# Altium PCB Freezer_Controller.PcbDoc (part 1 of 3) (continued)
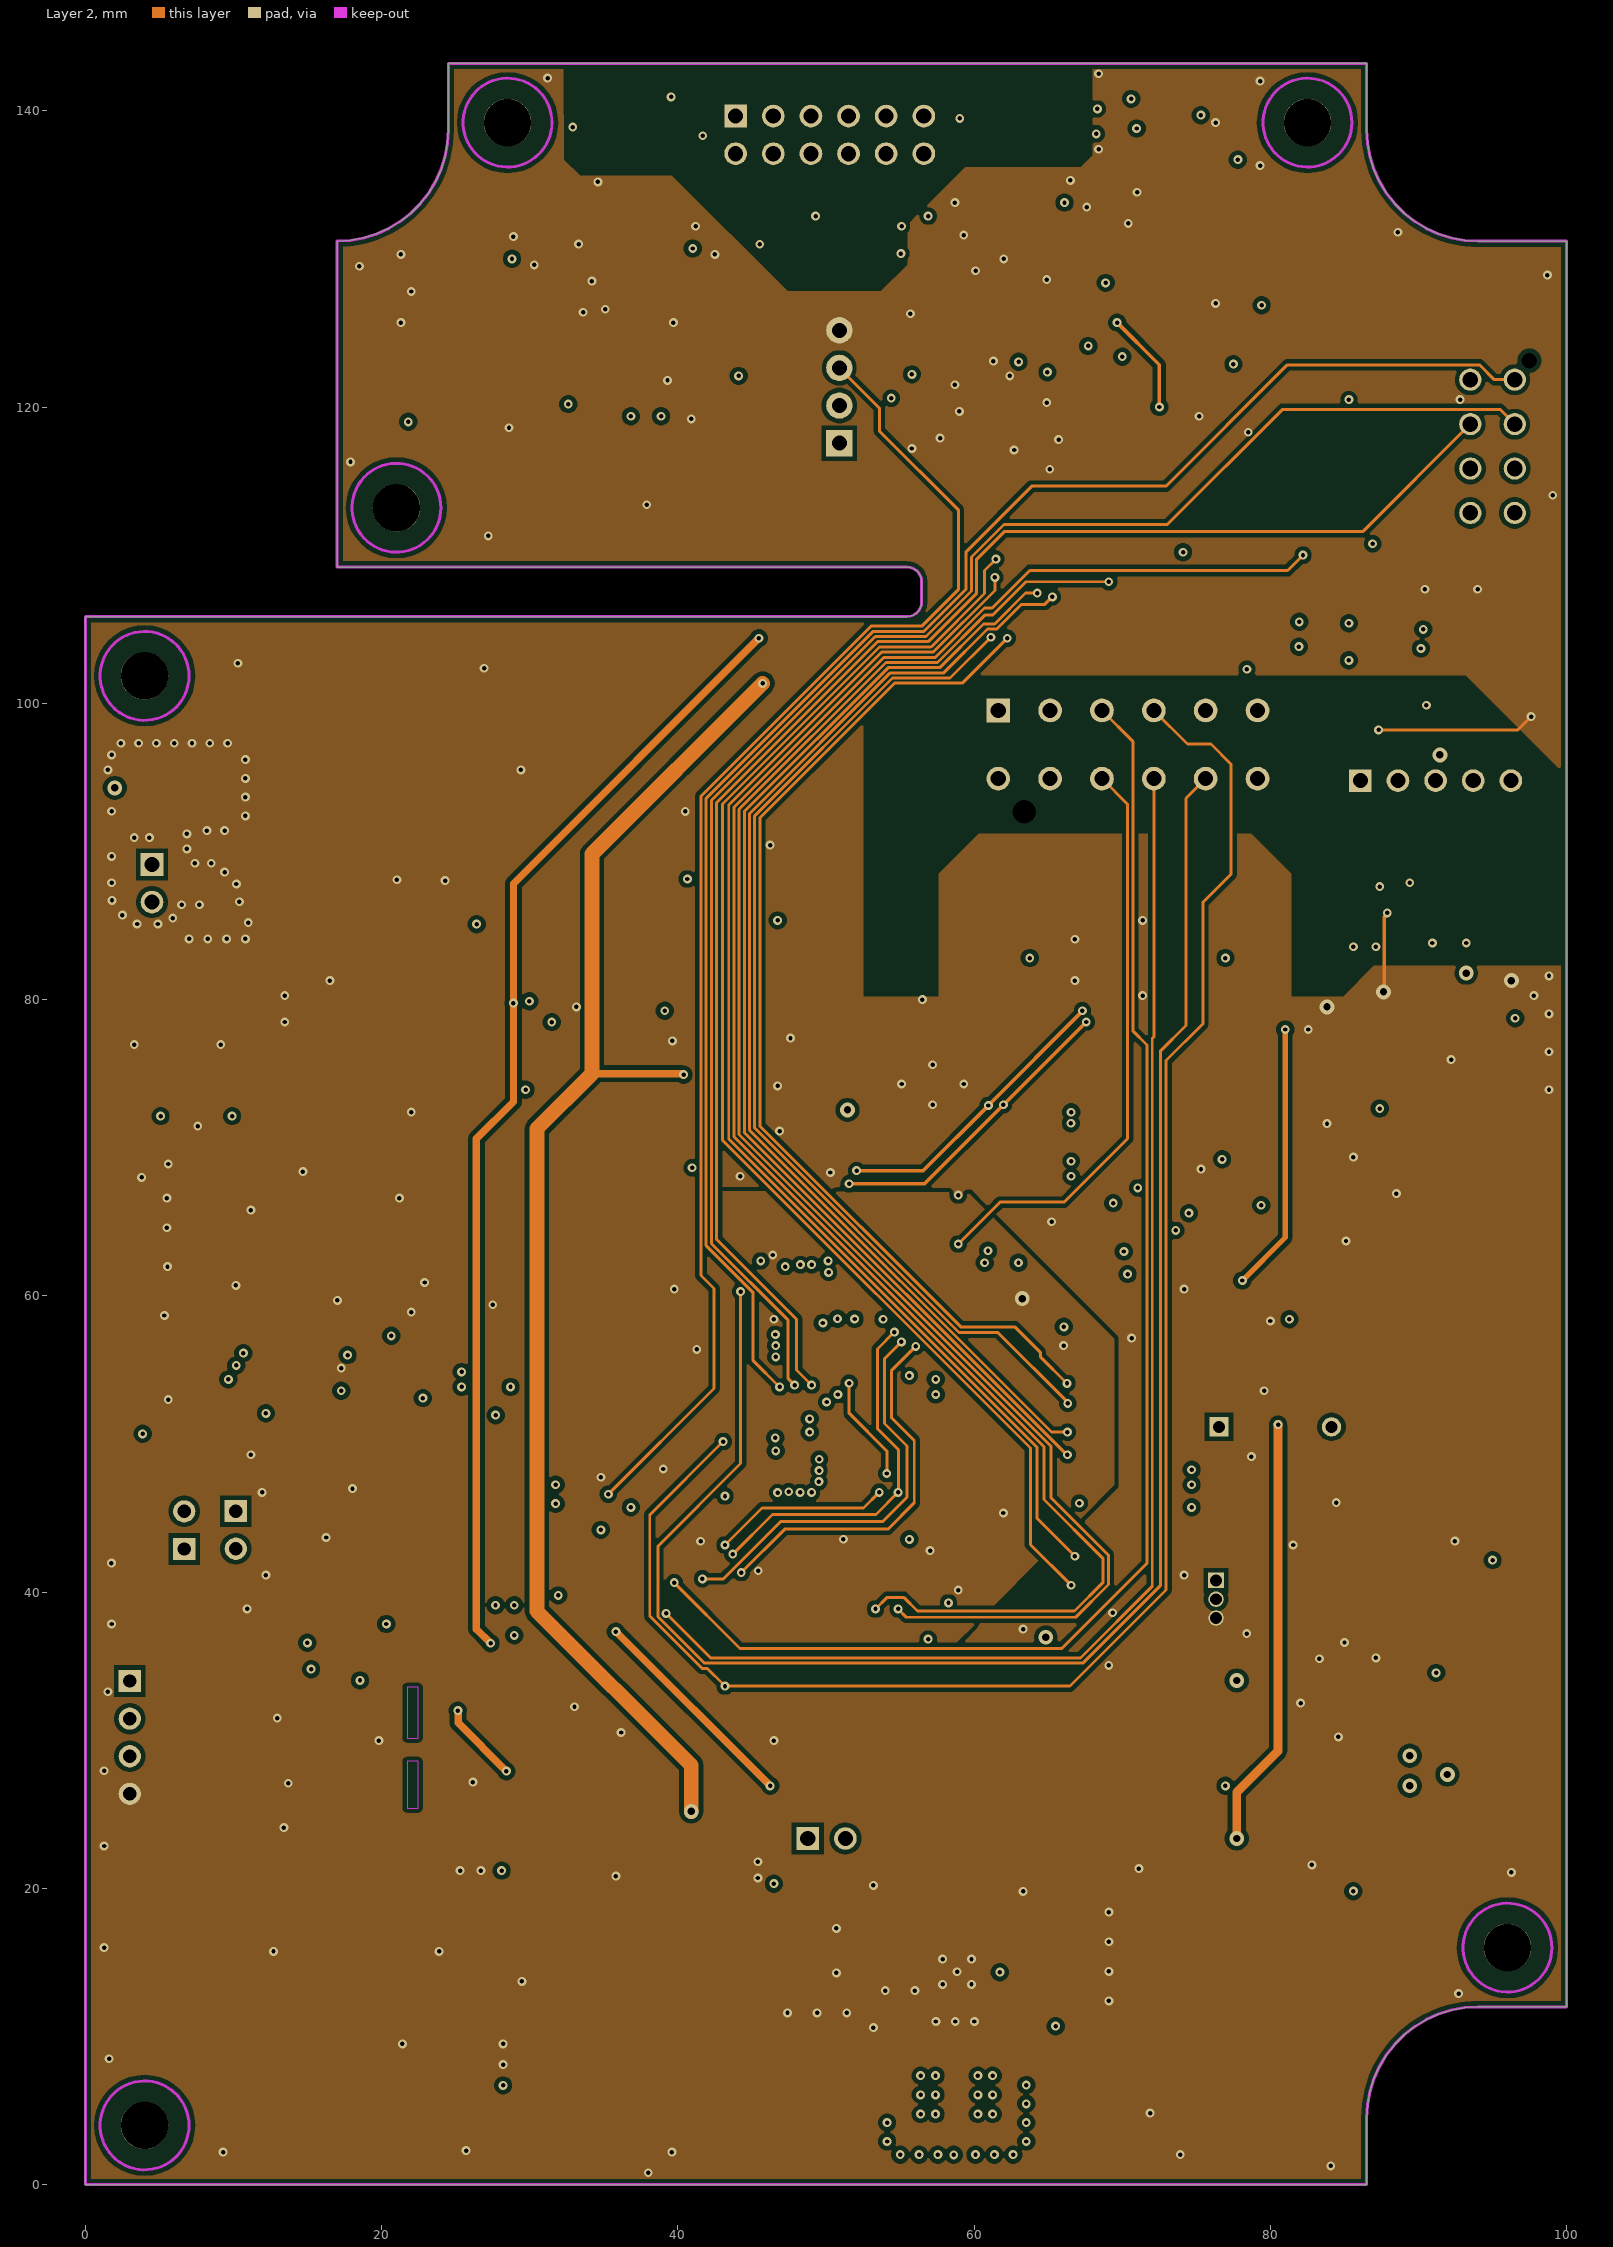
[diagram p3: Layer 2]

## Layer stack, top to bottom
Top Solder: solder mask 0.0102, Solder Resist, Dk 3.5
Top Layer: signal copper 0.035
Dielectric 1: prepreg 0.21, FR-4, Dk 4.2
Layer 1: signal copper 0.035
Dielectric 3: core 1, Dk 4.2
Layer 2: signal copper 0.035
Dielectric 2: prepreg 0.21, Dk 4.2
Bottom Layer: signal copper 0.035
Bottom Solder: solder mask 0.0102, Solder Resist, Dk 3.5

## Board outline
55.46,105.85 0,105.85 0,0 86.5,0 86.5,4.5 86.555,5.404 86.718,6.295 86.988,7.159 87.359,7.985 87.828,8.76 88.386,9.473 89.027,10.114 89.74,10.672 90.515,11.141 91.341,11.512 92.205,11.782 93.096,11.945 94,12 100,12 100,131.2 94,131.2 93.096,131.255 92.205,131.418 91.341,131.688 90.515,132.059 89.74,132.528 89.027,133.086 88.386,133.727 87.828,134.44 87.359,135.215 86.988,136.041 86.718,136.905 86.555,137.796 86.5,138.7 86.5,143.2 24.5,143.2 24.5,138.7 24.445,137.796 24.282,136.905 24.012,136.041 23.641,135.215 23.172,134.44 22.614,133.727 21.973,133.086 21.26,132.528 20.485,132.059 19.659,131.688 18.795,131.418 17.904,131.255 17,131.2 17,109.2 55.46,109.2 55.682,109.175 55.894,109.101 56.083,108.982 56.242,108.823 56.361,108.634 56.435,108.422 56.46,108.2 56.46,106.85 56.435,106.627 56.361,106.416 56.242,106.227 56.083,106.068 55.894,105.949 55.682,105.875

## Design rules (kind name [scope] priority, off if disabled: settings)
Clearance Clearance_polygon [All vs InPolygon] p1: gap=0.3 ignorepadtopadclearanceinfootprint=TRUE
Clearance Clearance_USB [All vs InDifferentialPair('USB_D')or InDifferentialPair('DOUT')] p2: gap=0.127 ignorepadtopadclearanceinfootprint=TRUE
Clearance CLR_BR [InComponent('BR*')] p3: gap=0 ignorepadtopadclearanceinfootprint=TRUE
Clearance [All] p4: gap=0.15 ignorepadtopadclearanceinfootprint=TRUE
ComponentClearance [All] p1: gap=0 collisioncheckmode=3 verticalgap=0 showdistances=FALSE
DiffPairsRouting DIFF_USB [InDifferentialPair('USB')or InDifferentialPair('USB_D')] p1: maxlimit=0.127 minlimit=0.127 mostfreqgap=0.127 toplayer_minwidth=0.255 toplayer_maxwidth=0.255 toplayer_prefwidth=0.255 midlayer1_minwidth=0.121 midlayer1_maxwidth=0.121 midlayer1_prefwidth=0.121 midlayer3_minwidth=0.121 midlayer3_maxwidth=0.121 midlayer3_prefwidth=0.121 bottomlayer_minwidth=0.255 bottomlayer_maxwidth=0.255 bottomlayer_prefwidth=0.255 impedanceprofiledriven=TRUE impedanceprofileid={CBB141E9-F32D-4513-8179-8D51B2AE33E7} impedanceprofilevalue=90.000000 maxuncoupledlength=12.7
DiffPairsRouting [All] p2: maxlimit=0.22 minlimit=0.127 mostfreqgap=0.127 toplayer_mingap=0.18 toplayer_prefgap=0.2 toplayer_minwidth=0.255 toplayer_maxwidth=0.255 toplayer_prefwidth=0.255 midlayer1_maxgap=0.127 midlayer1_minwidth=0.121 midlayer1_maxwidth=0.121 midlayer1_prefwidth=0.121 midlayer3_maxgap=0.127 midlayer3_minwidth=0.121 midlayer3_maxwidth=0.121 midlayer3_prefwidth=0.121 bottomlayer_maxgap=0.127 bottomlayer_minwidth=0.255 bottomlayer_maxwidth=0.255 bottomlayer_prefwidth=0.255 maxuncoupledlength=12.7
Height [All] p1: minheight=0 maxheight=100 prefheight=12.7
HoleSize [All] p1: absolutevalues=TRUE maxlimit=5 minlimit=0.025 maxpercent=80.000 minpercent=20.000
HoleToHoleClearance [All] p1: gap=0 allowstackedmicrovias=TRUE
MinimumSolderMaskSliver [All] p1: minsoldermaskwidth=0
PolygonConnect [All] p1: connectstyle=Direct reliefconductorwidth=0.254 reliefentries=4 polygonreliefangle="90 Angle" airgapwidth=0.254
RoomDefinition U_DisplayIface [InComponentClass('U_DisplayIface')] p1: confinementstyle=ConfineIn formatcopy=TRUE lockcomponents=FALSE outline 50.292,96.52 11.1,96.52 11.1,73.914 50.292,73.914
RoomDefinition U_Audio [InComponentClass('U_Audio')] p2: confinementstyle=ConfineIn formatcopy=TRUE lockcomponents=FALSE outline 0,88.911 0,48.768 14.6,48.768 14.6,88.911
RoomDefinition U_RTDIface6 [InComponentClass('U_RTDIface6')] p3: confinementstyle=ConfineIn formatcopy=TRUE lockcomponents=FALSE outline 63.8,123.4 63.8,108.1 75.9,108.1 75.9,123.4
RoomDefinition U_RTDIface3 [InComponentClass('U_RTDIface3')] p4: confinementstyle=ConfineIn formatcopy=TRUE lockcomponents=FALSE outline 57.4,137.2 57.4,121.9 69.5,121.9 69.5,137.2
RoomDefinition U_RTDIface2 [InComponentClass('U_RTDIface2')] p5: confinementstyle=ConfineIn formatcopy=TRUE lockcomponents=FALSE outline 20.1,133.4 20.1,118.1 32.2,118.1 32.2,133.4
RoomDefinition RoomDefinition_11 [OnTop and InAnyComponent] p6: confinementstyle=ConfineOut formatcopy=TRUE lockcomponents=FALSE outline 4,1 cw(c4,4) 1,4 cw(c4,4) 4,7 cw(c4,4) 7,4 cw(c4,4)
RoomDefinition RoomDefinition_10 [OnBottom and InAnyComponent] p7: confinementstyle=ConfineOut formatcopy=TRUE lockcomponents=FALSE outline 4,1 cw(c4,4) 1,4 cw(c4,4) 4,7 cw(c4,4) 7,4 cw(c4,4)
RoomDefinition RoomDefinition_9 [OnTop and InAnyComponent] p8: confinementstyle=ConfineOut formatcopy=TRUE lockcomponents=FALSE outline 96,13 cw(c96,16) 93,16 cw(c96,16) 96,19 cw(c96,16) 99,16 cw(c96,16)
RoomDefinition RoomDefinition_8 [OnBottom and InAnyComponent] p9: confinementstyle=ConfineOut formatcopy=TRUE lockcomponents=FALSE outline 96,13 cw(c96,16) 93,16 cw(c96,16) 96,19 cw(c96,16) 99,16 cw(c96,16)
RoomDefinition RoomDefinition_7 [OnTop and InAnyComponent] p10: confinementstyle=ConfineOut formatcopy=TRUE lockcomponents=FALSE outline 4,98.85 cw(c4,101.85) 1,101.85 cw(c4,101.85) 4,104.85 cw(c4,101.85) 7,101.85 cw(c4,101.85)
RoomDefinition RoomDefinition_6 [OnBottom and InAnyComponent] p11: confinementstyle=ConfineOut formatcopy=TRUE lockcomponents=FALSE outline 4,98.85 cw(c4,101.85) 1,101.85 cw(c4,101.85) 4,104.85 cw(c4,101.85) 7,101.85 cw(c4,101.85)
RoomDefinition RoomDefinition_5 [OnTop and InAnyComponent] p12: confinementstyle=ConfineOut formatcopy=TRUE lockcomponents=FALSE outline 21,110.2 cw(c21,113.2) 18,113.2 cw(c21,113.2) 21,116.2 cw(c21,113.2) 24,113.2 cw(c21,113.2)
RoomDefinition RoomDefinition_4 [OnBottom and InAnyComponent] p13: confinementstyle=ConfineOut formatcopy=TRUE lockcomponents=FALSE outline 21,110.2 cw(c21,113.2) 18,113.2 cw(c21,113.2) 21,116.2 cw(c21,113.2) 24,113.2 cw(c21,113.2)
RoomDefinition RoomDefinition_3 [OnTop and InAnyComponent] p14: confinementstyle=ConfineOut formatcopy=TRUE lockcomponents=FALSE outline 82.5,136.2 cw(c82.5,139.2) 79.5,139.2 cw(c82.5,139.2) 82.5,142.2 cw(c82.5,139.2) 85.5,139.2 cw(c82.5,139.2)
RoomDefinition RoomDefinition_2 [OnBottom and InAnyComponent] p15: confinementstyle=ConfineOut formatcopy=TRUE lockcomponents=FALSE outline 82.5,136.2 cw(c82.5,139.2) 79.5,139.2 cw(c82.5,139.2) 82.5,142.2 cw(c82.5,139.2) 85.5,139.2 cw(c82.5,139.2)
RoomDefinition [OnTop and InAnyComponent] p16: confinementstyle=ConfineOut formatcopy=TRUE lockcomponents=FALSE outline 28.5,136.2 cw(c28.5,139.2) 25.5,139.2 cw(c28.5,139.2) 28.5,142.2 cw(c28.5,139.2) 31.5,139.2 cw(c28.5,139.2)
RoomDefinition RoomDefinition_1 [OnBottom and InAnyComponent] p17: confinementstyle=ConfineOut formatcopy=TRUE lockcomponents=FALSE outline 28.5,136.2 cw(c28.5,139.2) 25.5,139.2 cw(c28.5,139.2) 28.5,142.2 cw(c28.5,139.2) 31.5,139.2 cw(c28.5,139.2)
RoomDefinition U_FLASH [InComponentClass('U_FLASH')] p18: confinementstyle=ConfineIn formatcopy=TRUE lockcomponents=FALSE outline 36.576,21.59 36.576,73.406 -2.3,73.406 -2.3,21.59
RoomDefinition U_Power [InComponentClass('U_Power')] p19: confinementstyle=ConfineIn formatcopy=TRUE lockcomponents=FALSE outline 98.298,54.2 12.5,54.2 12.5,0 98.298,0
RoomDefinition U_USBIface [InComponentClass('U_USBIface')] p20: confinementstyle=ConfineIn formatcopy=TRUE lockcomponents=FALSE outline 101.854,41.438 101.854,91.138 72.232,91.138 72.232,41.438
RoomDefinition U_RTDIface5 [InComponentClass('U_RTDIface5')] p21: confinementstyle=ConfineIn formatcopy=TRUE lockcomponents=FALSE outline 76.6,123.9 76.6,108.6 88.7,108.6 88.7,123.9
RoomDefinition U_RTDIface4 [InComponentClass('U_RTDIface4')] p22: confinementstyle=ConfineIn formatcopy=TRUE lockcomponents=FALSE outline 69.1,140.1 69.1,124.8 81.2,124.8 81.2,140.1
RoomDefinition U_RTDIface1 [InComponentClass('U_RTDIface1')] p23: confinementstyle=ConfineIn formatcopy=TRUE lockcomponents=FALSE outline 32.3,134.1 32.3,118.8 44.4,118.8 44.4,134.1
RoutingVias [All] p1: holewidth=0.3 width=0.6 viastyle="Through Hole" minholewidth=0.15 minwidth=0.45 maxholewidth=1 maxwidth=2
SilkToSilkClearance [All] p1: silktosilkclearance=0
SilkToSolderMaskClearance [IsPad] p1: minsilkscreentomaskgap=0 clearancetoexposedcopper=TRUE
SolderMaskExpansion [All] p1: expansion=0.102 istentingtop=FALSE
Width [All] p1: maxlimit=2 minlimit=0.15 preferedwidth=0.2
22 further rules are at their usual default settings.

## Classes and differential pairs
channel class RTDIface: U_RTDIface1 U_RTDIface2 U_RTDIface3 U_RTDIface4 U_RTDIface5 U_RTDIface6
net class RTD_SIG[1..6]: RTD_SIG1 RTD_SIG2 RTD_SIG3 RTD_SIG4 RTD_SIG5 RTD_SIG6
net class RTD_P[1..6]: RTD_P1 RTD_P2 RTD_P3 RTD_P4 RTD_P5 RTD_P6
net class RTD_N[1..6]: RTD_N1 RTD_N2 RTD_N3 RTD_N4 RTD_N5 RTD_N6
component class U_USBIface: C42 D2 FL1 LD1 LD2 R38 R39 R40 R41 R42 R64 R65 R66 R68 R69 R117 T1 U9
component class U_RTDIface6: C34_6 C35_6 C36_6 C37_6 R30_6 R31_6 R32_6 R33_6 R34_6 R35_6 R36_6 U6_6
component class U_RTDIface5: C34_5 C35_5 C36_5 C37_5 R30_5 R31_5 R32_5 R33_5 R34_5 R35_5 R36_5 U6_5
component class U_RTDIface4: C34_4 C35_4 C36_4 C37_4 R30_4 R31_4 R32_4 R33_4 R34_4 R35_4 R36_4 U6_4
component class U_RTDIface3: C34_3 C35_3 C36_3 C37_3 R30_3 R31_3 R32_3 R33_3 R34_3 R35_3 R36_3 U6_3
component class U_RTDIface2: C34_2 C35_2 C36_2 C37_2 R30_2 R31_2 R32_2 R33_2 R34_2 R35_2 R36_2 U6_2
component class U_RTDIface1: C34_1 C35_1 C36_1 C37_1 R30_1 R31_1 R32_1 R33_1 R34_1 R35_1 R36_1 U6_1
component class U_RTC: ACC1 C73 C74 C75 IC1 IC2 R130 R131 R132 U4 Y2
component class U_Power: 3V3 +3.3V +5V C10 C55 C56 C57 C58 C59 C60 C61 C62 C63 C64 C65 C66 C67 C68 C69 C71 C76 C77 C78 C79 C80 C89 C90 C91 C92 C94 D1 D6 D7 D8 D9 EXT_PWR_ON FB8 FB9 FB10 FB16 L4 L5 Q3 Q4 Q9 R5 R6 R12 R26 R28 R37 R46 R47 R48 R93 R99 R100 R103 R104 R106 R107 R109 R110 R111 R112 R115 R116 TP1 U5 U18 U20
component class U_Micro: C8 C9 C18 C19 C20 C21 C22 C23 C24 C25 C26 C27 C28 C29 C30 C31 C70 CLK DIO FB7 GND L10 LED1 P1 R4 R24 R25 R27 S1 U3 VCC Y1 Y3
component class U_FLASH: C7 C16 C17 C32 C33 C87 C88 FB6 FB12 J8 P2 P3 R3 R22 R23 R29 R128 R129 U2
component class U_DisplayIface: C11 C12 C13 C14 C15 FB4 FB5 J1 Q1 R7 R9 R10 R11 R13 R14 R15 R17 R19
component class U_Audio: C1 C2 C3 C4 C5 C6 C85 C86 FB1 FB2 FB3 FB11 Q2 R1 R2 R21 SD_MODE1 U1
component class TopLevel: BTN1 BTN2 BTN3 C38 C39 C40 C41 C43 C44 C45 C46 C47 C48 C49 C50 C51 C52 C53 C72 C81 C82 C83 C84 D4 D10 IO1 IO2 IO3 IO4 IO5 IO6 IO7 J2 J3 J4 J5 J6 J7 J9 L3 L7 L8 L9 LS1 Q10 R43 R45 R71 R74 R75 R76 R80 R81 R82 R83 R84 R85 R86 R87 R88 R89 R90 R91 R118 R119 R120 R121 R122 R123 R124 R125 RTD1 RTD2 RTD3 RTD4 RTD5 RTD6 TP2 TP20 TP21 TP22 TP23 TP24 TP25 TP26 TP27 U11 U12 U13 U14 U15 U19
differential pair USB_D: +USB_D_P -USB_D_N
differential pair DOUT: +DOUT_P -DOUT_N
differential pair AUDIO: +AUDIO_P -AUDIO_N
differential pair OUT: +OUT_P -OUT_N
differential pair O: +O_P -O_N

## Components (designator, comment, footprint, x,y, rotation, side; value= is the part's Value field where it differs from the comment)
3V3 "Test Point" "TEST POINT 40 Mil" 72.644,24.638 r90 top
+3.3V "Test Point" "TEST POINT 40 Mil" 75.438,24.638 r90 top
+5V "Test Point" "TEST POINT 40 Mil" 87.376,47.904 r90 top
BTN1 "2mm" "TEST POINT 40 Mil" 32.766,43.688 r90 top
BTN2 "2mm" "TEST POINT 40 Mil" 68.326,54.102 r90 top
BTN3 "2mm" "TEST POINT 40 Mil" 68.326,52.747 r90 top
C1 "10uF, 50V" 1206 4.318,53.086 r180 top
C2 "10uF, 50V" 1206 2.65,66.6 r180 top
C3 "1uF, 50V" 0805 2.032,70.866 r90 top
C4 "10nF, 100V" 0603#1 4.064,70.866 r270 top
C5 "220pF" CAPC2013X88X50LL20T25 3.6,79.267 r90 top
C6 "220pF" CAPC2013X88X50LL20T25 9.188,79.267 r90 top
C7 "0.1uF, 50V" 0805 16.002,58.775 r180 top
C8 "20pF" CAPC1608X90X35ML10T15 46.736,34.507 r270 top
C9 "20pF" CAPC1608X90X35ML10T15 51.308,34.581 r270 top
C10 "10uF, 50V" 1206 83.566,16.956 r90 top
C11 "10uF, 50V" 1206 43.434,76.962 r0 top
C12 "0.1uF, 50V" 0805 18.583,83.327 r90 top
C13 "1uF, 50V" 0805 20.556,83.327 r90 top
C14 "10uF, 50V" 1206 22.483,82.977 r90 top
C15 "10uF, 50V" 1206 23.114,79.477 r0 top
C16 "10uF, 50V" 1206 19.95,60.9 r180 top
C17 "0.1uF, 50V" 0805 19.854,58.775 r180 top
C18 "1nF, 100V" 0603#1 63.246,57.277 r90 top
C19 "1nF, 100V" 0603#1 45.212,64.77 r270 top
C20 "1nF, 100V" 0603#1 39.37,44.925 r0 top
C21 "1nF, 100V" 0603#1 64.135,47.117 r180 top
C22 "0.1uF, 50V" 0805 68.58,57.658 r180 top
C23 "0.1uF, 50V" 0805 43.434,65.024 r270 top
C24 "0.1uF, 50V" 0805 39.132,43.2 r0 top
C25 "0.1uF, 50V" 0805 64.516,45.339 r180 top
C26 "10uF, 50V" 1206 68.58,59.69 r180 top
C27 "10uF, 50V" 1206 67.056,63.15 r270 top
C28 "100nF" CAPC1005X55X30LL05T10 58.166,41.148 r90 top
C29 "C1206C105K4RACTU" C1206 56.695,40.386 r90 top value=1uF
C30 "100nF" CAPC1005X55X30LL05T10 44.196,37.592 r0 top
C31 "C1206C105K4RACTU" C1206 43.434,39.37 r0 top value=1uF
C32 "100nF" CAPC1005X55X30LL05T10 19.686,47.498 r0 top
C33 "C1206C105K4RACTU" C1206 19.685,45.187 r0 top value=1uF
C34_1 "DNP" 0603#1 39.3,130.7 r180 top value="10nF, 100V" (schematic designator C34)
C34_2 "DNP" 0603#1 27.1,130 r180 top value="10nF, 100V" (schematic designator C34)
C34_3 "DNP" 0603#1 64.4,133.8 r180 top value="10nF, 100V" (schematic designator C34)
C34_4 "DNP" 0603#1 76.1,136.7 r180 top value="10nF, 100V" (schematic designator C34)
C34_5 "DNP" 0603#1 83.6,120.5 r180 top value="10nF, 100V" (schematic designator C34)
C34_6 "DNP" 0603#1 70.8,120 r180 top value="10nF, 100V" (schematic designator C34)
C35_1 "10uF, 50V" 1206 40.9,122.35 r90 top (schematic designator C35)
C35_2 "10uF, 50V" 1206 28.7,121.65 r90 top (schematic designator C35)
C35_3 "10uF, 50V" 1206 66,125.45 r90 top (schematic designator C35)
C35_4 "10uF, 50V" 1206 77.7,128.35 r90 top (schematic designator C35)
C35_5 "10uF, 50V" 1206 85.2,112.15 r90 top (schematic designator C35)
C35_6 "10uF, 50V" 1206 72.4,111.65 r90 top (schematic designator C35)
C36_1 "0.1uF, 50V" 0805 35.8,131 r0 top (schematic designator C36)
C36_2 "0.1uF, 50V" 0805 23.6,130.3 r0 top (schematic designator C36)
C36_3 "0.1uF, 50V" 0805 60.9,134.1 r0 top (schematic designator C36)
C36_4 "0.1uF, 50V" 0805 72.6,137 r0 top (schematic designator C36)
C36_5 "0.1uF, 50V" 0805 80.1,120.8 r0 top (schematic designator C36)
C36_6 "0.1uF, 50V" 0805 67.3,120.3 r0 top (schematic designator C36)
C37_1 "0.1uF, 50V" 0805 42.5,127.9 r270 top (schematic designator C37)
C37_2 "0.1uF, 50V" 0805 30.3,127.2 r270 top (schematic designator C37)
C37_3 "0.1uF, 50V" 0805 67.6,131 r270 top (schematic designator C37)
C37_4 "0.1uF, 50V" 0805 79.3,133.9 r270 top (schematic designator C37)
C37_5 "0.1uF, 50V" 0805 86.8,117.7 r270 top (schematic designator C37)
C37_6 "0.1uF, 50V" 0805 74,117.2 r270 top (schematic designator C37)
C38 "1uF" FP-CL10B105KO8NNNC-MFG 72.39,40.386 r0 top
C39 "1uF" FP-CL10B105KO8NNNC-MFG 72.39,42.164 r0 top
C40 "1uF" FP-CL10B105KO8NNNC-MFG 72.39,48.514 r0 top
C41 "1uF" FP-CL10B105KO8NNNC-MFG 72.39,50.546 r0 top
C42 "4.7uF" TAN-A 90.043,82.042 r0 top value=47uF
C43 "1uF" FP-CL10B105KO8NNNC-MFG 53.34,37.084 r270 top
C44 "1uF" FP-CL10B105KO8NNNC-MFG 55.118,37.084 r270 top
C45 "10uF, 50V" 1206 53.594,114.046 r90 top
C46 "10uF, 50V" 1206 59.69,114.046 r90 top
C47 "2.2uF, 50V" 1206 55.626,114.046 r90 top
C48 "2.2uF, 50V" 1206 57.658,114.046 r90 top
C49 "100uF, 35V" CAPAE7866X80L 54.3,74.3 r0 top
C50 "10uF, 100V" 1210 55.1,91.4 r180 top
C51 "10uF, 100V" 1210 55.1,81.9 r180 top
C52 "1uF, 50V" 0805 62.7,119.6 r90 top
C53 "2.2uF, 50V" 1206 55.8,119.6 r90 top
C55 "10nF, 100V" 0603#1 26.2,8.1 r180 top
C56 "10nF, 100V" 0603#1 84.582,13.654 r0 top
C57 "10nF, 100V" 0603#1 24.892,19.3 r270 top
C58 "10nF, 100V" 0603#1 53.22,8.7 r270 top
C59 "10uF, 50V" 1206 51.42,8.75 r270 top
C60 "10uF, 50V" 1206 49.42,8.75 r270 top
C61 "10uF, 50V" 1206 47.42,8.75 r270 top
C62 "10uF, 50V" 1206 36.65,4.3 r0 top
C63 "10uF, 50V" 1206 42.351,21.217 r180 top
C64 "10uF, 50V" 1206 66.17,35.5 r180 top
C65 "10uF, 50V" 1206 61.82,36.85 r270 top
C66 "2.2uF, 50V" 1206 66.17,12.4 r180 top
C67 "2.2uF, 50V" 1206 66.17,14.4 r180 top
C68 "2.2uF, 50V" 1206 66.17,16.4 r180 top
C69 "2.2uF, 50V" 1206 66.17,18.4 r180 top
C70 "100nF" CAPC1005X55X30LL05T10 51.8,32.032 r0 top
C71 "0.1uF, 50V" 0805 61.7,18.7 r180 top
C72 "10uF, 100V" 1210 92.1,106.35 r270 top
C73 "100nF" CAPC1005X55X30LL05T10 73.508,63.144 r270 top
C74 "100nF" CAPC1005X55X30LL05T10 70.155,67.912 r90 top
C75 "100nF" CAPC1005X55X30LL05T10 68.885,67.929 r90 top
C76 "10uF, 50V" 1206 88.25,37.2 r0 top
C77 "10uF, 50V" 1206 81.67,37.25 r180 top
C78 "10nF, 100V" 0603#1 81.1,35.5 r180 top
C79 "10nF, 100V" 0603#1 83.82,33.528 r0 top
C80 "10uF, 50V" 1206 87.964,33.782 r180 top
C81 "10nF, 100V" 0603#1 39.047,51.553 r90 top
C82 "10nF, 100V" 0603#1 41.897,54.404 r270 top
C83 "10nF, 100V" 0603#1 39.116,60.183 r270 top
C84 "10nF, 100V" 0603#1 41.916,57.333 r90 top
C85 "10nF, 100V" 0603#1 3.302,58.674 r0 top
C86 "10uF, 50V" 1206 2.65,64.6 r180 top
C87 "0.1uF, 50V" 0805 19.6,72.3 r180 top
C88 "10nF, 100V" 0603#1 19.4,66.6 r0 top
C89 "10uF, 50V" 1206 83.566,10.178 r270 top
C90 "10nF, 100V" 0603#1 84.836,6.858 r0 top
C91 "10nF, 100V" 0603#1 74.93,21.082 r0 top
C92 "10uF, 50V" 1206 79.422,21.59 r180 top
C94 "10nF, 100V" 0603#1 85,38.5 r90 top
CLK "2mm" "TEST POINT 40 Mil" 8.382,28.956 r90 top
D1 "RED" 0603D 72.644,33.782 r90 top
D2 "ESDA7P60-1U1M" DO_2SM_1R6X1_21 93.218,78.486 r270 top
D4 "SMBJ28CAQ-13-F" SMB 56.6,97.2 r270 top
D6 "V3PM10-M3/H" SMP 18.386,13.12 r90 top
D7 "V3PM10-M3/H" SMP 18.386,17.88 r270 top
D8 "RED" 0603_DIODE_K1A2 40.151,31.584 r0 top
D9 "RED" 0603_DIODE_K1A2 75.42,33.8 r90 top
D10 "V3PM10-M3/H" SMP 92.1,101.52 r90 top
DIO "2mm" "TEST POINT 40 Mil" 8.382,31.496 r90 top
EXT_PWR_ON "Test Point" "TEST POINT 40 Mil" 14.732,11.176 r90 top
FB1 "1.5k@100MHz" 0805 2.54,55.88 r90 top
FB2 "1.5k@100MHz" 0805 7.41,79.013 r90 top
FB3 "1.5k@100MHz" 0805 5.378,79.029 r90 top
FB4 "1.5k@100MHz" 0805 43.688,74.93 r180 top
FB5 "1.5k@100MHz" 0805 24.483,83.327 r90 top
FB6 "1.5k@100MHz" 0805 18.6,63.9 r270 top
FB7 "1.5k@100MHz" 0805 65.024,60.833 r90 top
FB8 "120R@100MHz" 1206 85.598,16.956 r270 top
FB9 "120R@100MHz" 1206 85.598,10.178 r270 top
FB10 "120R@100MHz" 1206 81.67,39.35 r180 top
FB11 "1.5k@100MHz" 0805 2.54,61.468 r90 top
FB12 "1.5k@100MHz" 0805 18.6,69.3 r90 top
FB16 "120R@100MHz" 1206 88.25,39.3 r180 top
FL1 "EMIF02-USB03F2" FP-EMIF02-USB03F2-MFG 89.662,85.852 r270 top